# KiCad board FD.02-01-2021.kicad_pcb (continued)
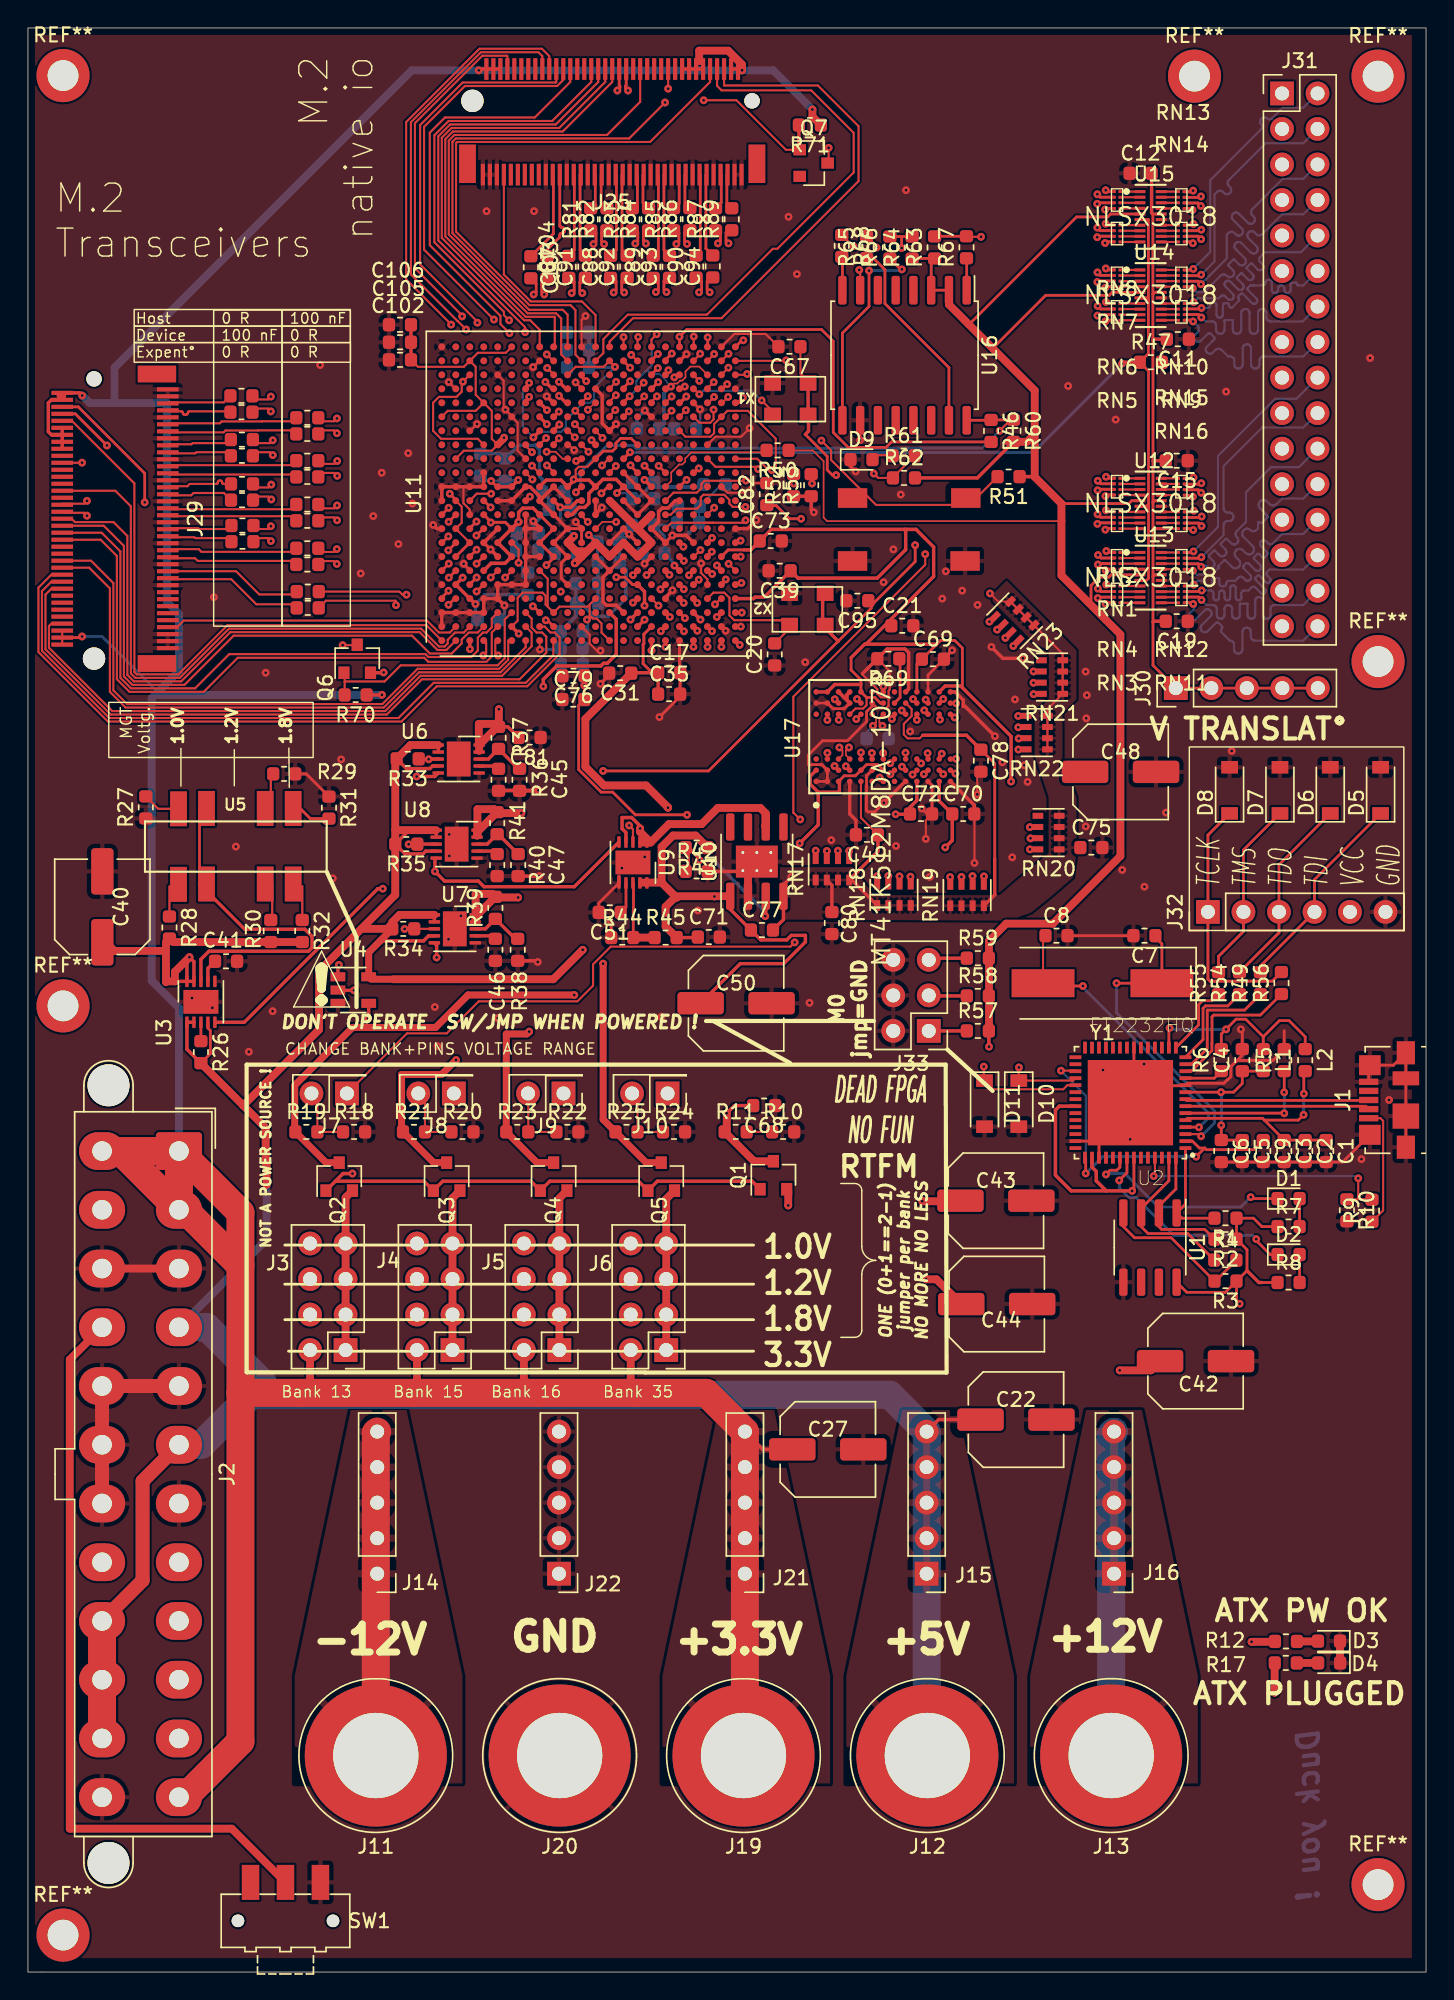
[diagram p0: board, top side]
## Routing (per net, layer and track width the routed paths; a pad name or vN(x,y) marks a point on that pad's centre or on a via; arc(x,y) is an arc through that point) (continued)
DDR_DQS_P: length 35.5
  Top w0.12: U17.C3 58.26,87.01 58.26,87.34 v1(58.04,87.56)
  Top w0.244: U11.R3 v1(43.1,96.7)
  In2.Cu_SigDDR w0.12: v1(58.04,87.56) 57.71,87.89 56.09,87.89 56.05,87.89 56.02,87.87 55.99,87.86 55.96,87.83 55.95,87.8 55.93,87.77 55.93,87.73 55.93,87.22 55.92,87.13 55.89,87.04 55.84,86.97 55.77,86.9 55.7,86.85 55.61,86.82 55.52,86.81 55.46,86.81 55.37,86.82 55.28,86.85 55.21,86.9 55.14,86.97 55.09,87.04 55.06,87.13 55.05,87.22 55.05,87.73 55.05,87.77 55.03,87.8 55.02,87.83 54.99,87.86 54.96,87.87 54.93,87.89 54.89,87.89 54.85,87.89 54.82,87.87 54.79,87.86 54.76,87.83 54.75,87.8 54.73,87.77 54.73,87.73 54.73,87.22 54.72,87.13 54.69,87.04 54.64,86.97 54.57,86.9 54.5,86.85 54.41,86.82 54.32,86.81 54.26,86.81 54.17,86.82 54.08,86.85 54.01,86.9 53.94,86.97 53.89,87.04 53.86,87.13 53.85,87.22 53.85,87.73 53.85,87.77 53.83,87.8 53.82,87.83 53.79,87.86 53.76,87.87 53.73,87.89 53.69,87.89 53.65,87.89 53.62,87.87 53.59,87.86 53.56,87.83 53.55,87.8 53.53,87.77 53.53,87.73 53.53,87.22 53.52,87.13 53.49,87.04 53.44,86.97 53.37,86.9 53.3,86.85 53.21,86.82 53.12,86.81 53.06,86.81 52.97,86.82 52.88,86.85 52.81,86.9 52.74,86.97 52.69,87.04 52.66,87.13 52.65,87.22 52.65,87.73 52.65,87.77 52.63,87.8 52.62,87.83 52.59,87.86 52.56,87.87 52.53,87.89 52.49,87.89 52.45,87.89 52.42,87.87 52.39,87.86 52.36,87.83 52.35,87.8 52.33,87.77 52.33,87.73 52.33,87.22 52.32,87.13 52.29,87.04 52.24,86.97 52.17,86.9 52.1,86.85 52.01,86.82 51.92,86.81 51.86,86.81 51.77,86.82 51.68,86.85 51.61,86.9 51.54,86.97 51.49,87.04 51.46,87.13 51.45,87.22 51.45,87.73 51.45,87.77 51.43,87.8 51.42,87.83 51.39,87.86 51.36,87.87 51.33,87.89 51.29,87.89 51.25,87.89 51.22,87.87 51.19,87.86 51.16,87.83 51.15,87.8 51.13,87.77 51.13,87.73 51.13,87.22 51.12,87.13 51.09,87.04 51.04,86.97 50.97,86.9 50.9,86.85 50.81,86.82 50.72,86.81 50.66,86.81 50.57,86.82 50.48,86.85 50.41,86.9 50.34,86.97 50.29,87.04 50.26,87.13 50.25,87.22 50.25,87.73 50.25,87.77 50.23,87.8 50.22,87.83 50.19,87.86 50.16,87.87 50.13,87.89 50.09,87.89 50.05,87.89 50.02,87.87 49.99,87.86 49.96,87.83 49.95,87.8 49.93,87.77 49.93,87.73 49.93,87.22 49.92,87.13 49.89,87.04 49.84,86.97 49.77,86.9 49.7,86.85 49.61,86.82 49.52,86.81 49.46,86.81 49.37,86.82 49.28,86.85 49.21,86.9 49.14,86.97 49.09,87.04 49.06,87.13 49.05,87.22 49.05,87.73 49.05,87.77 49.03,87.8 49.02,87.83 48.99,87.86 48.96,87.87 48.93,87.89 48.89,87.89 48.87,87.89 48.79,87.9 48.71,87.93 48.64,87.97 48.58,88.03 48.54,88.1 48.51,88.17 48.5,88.25 48.5,88.42 48.5,88.44 48.49,88.46 48.48,88.48 48.47,88.5 48.45,88.51 48.42,88.52 48.4,88.52 48.29,88.52 48.27,88.52 48.24,88.51 48.22,88.5 48.21,88.48 48.2,88.46 48.19,88.44 48.18,88.42 48.18,88.25 48.18,88.17 48.15,88.1 48.11,88.03 48.05,87.97 47.98,87.93 47.9,87.9 47.82,87.89 45.21,87.89 43.64,89.46 43.64,95.26 43.64,95.29 43.63,95.31 43.61,95.33 43.59,95.35 43.57,95.37 43.55,95.38 43.49,95.38 43.47,95.39 43.45,95.41 43.43,95.43 43.41,95.45 43.4,95.47 43.4,95.5 43.4,95.55 43.4,95.58 43.41,95.6 43.43,95.62 43.45,95.64 43.47,95.66 43.49,95.67 43.55,95.67 43.57,95.68 43.59,95.7 43.61,95.72 43.63,95.74 43.64,95.76 43.64,95.79 43.64,96.16 v1(43.1,96.7)
DDR_NCAS: length 49.9
  Top w0.15: v1(61.17,87.16) 61.18,87.15 U17.G3 ; v1(43.27,97.91) 43.31,97.91 U11.R4
  In2.Cu_SigDDR w0.15: v1(57.14,80.16) 56.96,80.34 56.96,82.95 57.12,83.11 57.13,83.12 57.15,83.13 57.16,83.13 57.18,83.13 57.2,83.13 57.21,83.12 57.24,83.1 57.25,83.09 57.27,83.09 57.29,83.09 57.3,83.09 57.32,83.1 57.33,83.11 57.65,83.43 57.66,83.44 57.67,83.46 57.67,83.47 57.67,83.49 57.67,83.51 57.66,83.52 57.65,83.53 57.21,83.98 57.17,84.03 57.14,84.09 57.12,84.15 57.12,84.22 57.14,84.29 57.17,84.35 57.21,84.4 57.26,84.44 57.32,84.47 57.39,84.49 57.45,84.49 57.52,84.47 57.58,84.44 57.63,84.4 57.81,84.22 57.86,84.18 57.92,84.15 57.99,84.14 58.06,84.14 58.12,84.15 58.18,84.18 58.23,84.22 61,86.99 61,87.16
  In4.Cu_SigDDR w0.15: v1(61.17,87.16) 60.61,86.6 59.74,86.6 58.2,85.06 47.59,85.06 42.5,90.15 42.5,90.95 42.51,91 42.52,91.05 42.55,91.09 42.58,91.13 42.63,91.15 42.67,91.17 42.72,91.17 42.87,91.17 42.92,91.18 42.97,91.2 43.01,91.22 43.05,91.26 43.08,91.3 43.09,91.35 43.1,91.4 43.09,91.45 43.08,91.5 43.05,91.54 43.01,91.58 42.97,91.6 42.92,91.62 42.87,91.62 42.38,91.62 42.35,91.63 42.32,91.64 42.3,91.65 42.28,91.67 42.26,91.7 42.26,91.72 42.25,91.75 42.25,91.95 42.26,91.98 42.26,92 42.28,92.03 42.3,92.05 42.32,92.06 42.35,92.07 42.38,92.08 42.87,92.08 42.92,92.08 42.97,92.1 43.01,92.12 43.05,92.16 43.08,92.2 43.09,92.25 43.1,92.3 43.09,92.35 43.08,92.4 43.05,92.44 43.01,92.48 42.97,92.5 42.92,92.52 42.87,92.53 42.38,92.53 42.35,92.53 42.32,92.54 42.3,92.55 42.28,92.57 42.26,92.6 42.26,92.62 42.25,92.65 42.25,92.85 42.26,92.88 42.26,92.9 42.28,92.93 42.3,92.95 42.32,92.96 42.35,92.97 42.38,92.97 42.87,92.97 42.92,92.98 42.97,93 43.01,93.02 43.05,93.06 43.08,93.1 43.09,93.15 43.1,93.2 43.09,93.25 43.08,93.3 43.05,93.34 43.01,93.38 42.97,93.4 42.92,93.42 42.87,93.42 42.38,93.42 42.35,93.43 42.32,93.44 42.3,93.45 42.28,93.47 42.26,93.5 42.26,93.52 42.25,93.55 42.25,93.75 42.26,93.78 42.26,93.8 42.28,93.83 42.3,93.85 42.32,93.86 42.35,93.87 42.38,93.88 42.87,93.88 42.92,93.88 42.97,93.9 43.01,93.92 43.05,93.96 43.08,94 43.09,94.05 43.1,94.1 43.09,94.15 43.08,94.2 43.05,94.24 43.01,94.28 42.97,94.3 42.92,94.32 42.87,94.33 42.38,94.33 42.35,94.33 42.32,94.34 42.3,94.35 42.28,94.37 42.26,94.4 42.26,94.42 42.25,94.45 42.25,94.65 42.26,94.68 42.26,94.7 42.28,94.73 42.3,94.75 42.32,94.76 42.35,94.77 42.38,94.78 42.87,94.78 42.92,94.78 42.97,94.8 43.01,94.82 43.05,94.86 43.08,94.9 43.09,94.95 43.1,95 43.09,95.05 43.08,95.1 43.05,95.14 43.01,95.18 42.97,95.2 42.92,95.22 42.87,95.22 42.38,95.22 42.35,95.23 42.32,95.24 42.3,95.25 42.28,95.27 42.26,95.3 42.26,95.32 42.25,95.35 42.25,95.55 42.26,95.58 42.26,95.6 42.28,95.63 42.3,95.65 42.32,95.66 42.35,95.67 42.38,95.67 43.27,95.67 43.32,95.68 43.37,95.7 43.41,95.72 43.45,95.76 43.48,95.8 43.49,95.85 43.5,95.9 43.49,95.95 43.48,96 43.45,96.04 43.41,96.08 43.37,96.1 43.32,96.12 43.27,96.12 42.5,96.12 42.5,96.13 42.38,96.13 42.35,96.13 42.32,96.14 42.3,96.15 42.28,96.17 42.26,96.2 42.26,96.22 42.25,96.25 42.25,96.45 42.26,96.48 42.26,96.51 42.28,96.53 42.3,96.55 42.32,96.56 42.35,96.57 42.4,96.58 42.43,96.59 42.45,96.6 42.47,96.62 42.49,96.65 42.5,96.67 42.5,96.7 42.5,97.14 v1(43.27,97.91)
DDR_NCS: length 51
  Top w0.15: 61.96,85.93 61.68,85.65 ; v1(43.27,99.88) 43.28,99.88 U11.R6
  In2.Cu_SigDDR w0.15: 61.68,85.65 61.68,84.95 60.64,83.91 60.64,79.89 60.63,79.85 60.62,79.81 60.59,79.77 60.56,79.74 60.52,79.71 60.48,79.7 60.44,79.69 59.91,79.69 59.86,79.69 59.82,79.67 59.78,79.65 59.75,79.62 59.73,79.58 59.71,79.54 59.71,79.49 59.71,79.45 59.73,79.41 59.75,79.37 59.78,79.34 59.82,79.31 59.86,79.3 59.91,79.29 61.02,79.29 61.06,79.29 61.1,79.27 61.14,79.25 61.17,79.22 61.2,79.18 61.21,79.14 61.22,79.09 61.21,79.05 61.2,79.01 61.17,78.97 61.14,78.94 61.1,78.91 61.06,78.9 61.02,78.89 60.84,78.89 60.79,78.89 60.75,78.87 60.71,78.85 60.68,78.82 60.66,78.78 60.64,78.74 60.64,78.69 60.64,78.43 60.71,78.36 v1(60.74,78.36)
  In4.Cu_SigDDR w0.15: 40.44,93.57 40.43,93.59 40.44,93.72 ; 40.44,94.92 40.43,94.79 40.44,94.77 ; v1(43.27,99.88) 40.44,97.05 40.44,92.52 40.42,92.38 40.42,92.36 40.41,92.36 40.41,92.35 40.4,92.34 40.39,92.34 40.36,92.34 40.35,92.33 40.34,92.33 40.34,92.32 40.33,92.31 40.33,92.3 40.33,92.29 40.33,91.84 40.33,91.83 40.33,91.81 40.34,91.81 40.34,91.8 40.35,91.79 40.36,91.79 40.38,91.79 40.43,91.79 40.43,91.76 40.57,91.76 40.6,91.76 40.63,91.75 40.66,91.73 40.68,91.71 40.7,91.68 40.71,91.65 40.71,91.62 40.71,91.36 40.71,91.32 40.7,91.29 40.68,91.27 40.66,91.24 40.63,91.23 40.6,91.22 40.57,91.21 39.86,91.21 39.8,91.2 39.74,91.18 39.69,91.15 39.65,91.11 39.61,91.06 39.59,91 39.59,90.94 39.59,90.88 39.61,90.82 39.65,90.77 39.69,90.72 39.74,90.69 39.8,90.67 39.86,90.66 40.15,90.66 40.21,90.65 40.27,90.63 40.32,90.6 40.37,90.56 40.4,90.51 40.42,90.45 40.43,90.39 40.43,89.56 40.46,89.52 40.49,89.46 40.5,89.4 40.5,89.34 40.49,89.28 40.46,89.22 40.43,89.18 40.22,88.97 40.18,88.92 40.16,88.87 40.14,88.81 40.14,88.75 40.16,88.69 40.18,88.63 40.22,88.58 40.27,88.54 40.32,88.52 40.38,88.5 40.45,88.5 40.51,88.52 40.56,88.54 40.61,88.58 40.81,88.79 40.86,88.83 40.92,88.85 40.98,88.87 41.04,88.87 41.1,88.85 41.15,88.83 41.2,88.79 46.59,83.4 59.83,83.4 61.68,85.26 61.68,85.65
  vias: v1(61.69,85.64)
DDR_NRAS: length 42.9
  Top w0.15: 49.58,97.2 v1(49.27,96.89) ; v1(60.36,87.16) 60.38,87.14 U17.F3
  In2.Cu_SigDDR w0.15: v1(56.34,80.18) 56.34,80.97 56.34,81 56.35,81.02 56.37,81.05 56.39,81.07 56.41,81.08 56.44,81.09 56.49,81.1 56.52,81.11 56.54,81.12 56.56,81.14 56.58,81.17 56.59,81.19 56.59,81.22 56.59,81.77 56.59,81.8 56.58,81.82 56.56,81.85 56.54,81.87 56.52,81.88 56.49,81.89 56.47,81.89 56.22,81.89 56.19,81.9 56.16,81.91 56.14,81.92 56.12,81.94 56.1,81.97 56.09,81.99 56.09,82.02 56.09,82.57 56.09,82.6 56.1,82.62 56.12,82.65 56.14,82.67 56.16,82.68 56.19,82.69 56.24,82.7 56.27,82.71 56.29,82.72 56.31,82.74 56.33,82.77 56.34,82.79 56.34,82.82 56.34,84.79 56.91,85.36 58.56,85.36 v1(60.36,87.16)
  In4.Cu_SigDDR w0.15: v1(49.27,96.89) 48.48,96.1 48.48,95.4 48.05,94.97 48.05,94.53 47.27,93.75 47.27,93.44 47.28,93.39 47.29,93.34 47.32,93.3 47.35,93.26 47.4,93.24 47.44,93.22 47.5,93.22 47.79,93.22 47.84,93.21 47.89,93.19 47.93,93.17 47.97,93.13 48,93.09 48.01,93.04 48.02,92.99 48.01,92.94 48,92.89 47.97,92.85 47.93,92.81 47.89,92.79 47.84,92.77 47.79,92.77 47.05,92.77 47,92.76 46.95,92.74 46.91,92.72 46.87,92.68 46.84,92.64 46.83,92.59 46.82,92.54 46.82,92.54 46.83,92.49 46.84,92.44 46.87,92.4 46.91,92.36 46.95,92.34 47,92.32 47.05,92.31 47.74,92.31 47.79,92.31 47.84,92.29 47.88,92.27 47.92,92.23 47.95,92.19 47.96,92.14 47.97,92.09 47.96,92.04 47.95,91.99 47.92,91.95 47.88,91.91 47.84,91.89 47.79,91.87 47.74,91.86 47.5,91.86 47.44,91.86 47.4,91.84 47.35,91.82 47.32,91.78 47.29,91.74 47.28,91.69 47.27,91.64 47.27,91.59 47.69,91.17 47.73,91.14 47.78,91.12 47.82,91.1 47.87,91.1 47.92,91.12 47.97,91.14 48.01,91.17 48.22,91.38 48.26,91.41 48.3,91.43 48.35,91.44 48.4,91.44 48.45,91.43 48.5,91.41 48.54,91.38 48.57,91.34 48.59,91.3 48.6,91.25 48.6,91.2 48.59,91.15 48.57,91.1 48.54,91.06 47.94,90.46 47.91,90.42 47.89,90.38 47.88,90.33 47.88,90.28 47.89,90.23 47.91,90.19 47.94,90.15 47.98,90.11 48.02,90.09 48.07,90.08 48.12,90.08 48.17,90.09 48.22,90.11 48.26,90.15 48.52,90.41 48.53,90.42 48.54,90.42 48.55,90.42 48.56,90.42 48.57,90.42 48.58,90.42 48.59,90.41 48.84,90.16 48.85,90.15 48.85,90.14 48.85,90.13 48.85,90.12 48.85,90.11 48.85,90.1 48.84,90.09 48.58,89.83 48.54,89.79 48.52,89.74 48.51,89.69 48.51,89.64 48.52,89.59 48.54,89.55 48.58,89.51 48.62,89.48 48.66,89.46 48.71,89.44 48.76,89.44 48.81,89.46 48.85,89.48 48.89,89.51 49.16,89.77 49.17,89.78 49.18,89.78 49.19,89.79 49.2,89.79 49.21,89.78 49.22,89.78 49.23,89.77 49.48,89.53 49.48,89.52 49.49,89.51 49.49,89.5 49.49,89.48 49.49,89.47 49.48,89.46 49.48,89.45 49.21,89.19 49.18,89.15 49.16,89.11 49.15,89.06 49.15,89.01 49.16,88.96 49.18,88.91 49.21,88.87 49.25,88.84 49.3,88.82 49.35,88.81 49.4,88.81 49.45,88.82 49.49,88.84 49.53,88.87 49.79,89.14 49.8,89.14 49.81,89.15 49.82,89.15 49.84,89.15 49.85,89.15 49.86,89.14 49.87,89.14 50.11,88.89 50.12,88.88 50.12,88.87 50.13,88.86 50.13,88.85 50.12,88.84 50.12,88.83 50.11,88.81 50.1,88.8 50.1,88.79 50.1,88.78 50.1,88.77 50.11,88.76 50.11,88.75 50.36,88.5 50.66,88.5 50.71,88.5 50.75,88.52 50.79,88.54 50.82,88.57 50.84,88.61 50.86,88.65 50.86,88.74 50.88,88.79 50.9,88.82 50.93,88.85 50.97,88.88 51.01,88.89 51.06,88.9 51.11,88.9 51.16,88.89 51.2,88.88 51.24,88.85 51.27,88.82 51.29,88.79 51.31,88.74 51.31,88.7 51.31,88.4 51.31,88.38 51.32,88.36 51.33,88.34 51.35,88.32 51.37,88.31 51.39,88.3 51.41,88.3 51.66,88.3 51.68,88.3 51.7,88.31 51.72,88.32 51.74,88.34 51.75,88.36 51.76,88.38 51.76,88.4 51.76,88.62 51.76,88.65 51.77,88.68 51.79,88.7 51.81,88.72 51.83,88.74 51.86,88.74 51.88,88.75 52.09,88.75 52.11,88.74 52.14,88.74 52.16,88.72 52.18,88.7 52.2,88.68 52.21,88.65 52.21,88.62 52.21,88.5 52.21,88.5 52.21,88.4 52.21,88.38 52.22,88.36 52.23,88.34 52.25,88.32 52.27,88.31 52.29,88.3 52.31,88.3 52.56,88.3 52.58,88.3 52.61,88.31 52.62,88.32 52.64,88.34 52.65,88.36 52.66,88.38 52.66,88.42 52.67,88.44 52.68,88.46 52.7,88.48 52.72,88.49 52.74,88.5 52.76,88.5 53.01,88.5 53.03,88.5 53.06,88.49 53.07,88.48 53.09,88.46 53.1,88.44 53.11,88.42 53.11,88.38 53.12,88.36 53.13,88.34 53.15,88.32 53.17,88.31 53.19,88.3 53.21,88.3 53.46,88.3 53.48,88.3 53.51,88.31 53.52,88.32 53.54,88.34 53.55,88.36 53.56,88.38 53.56,88.42 53.57,88.44 53.58,88.46 53.6,88.48 53.62,88.49 53.64,88.5 53.66,88.5 53.91,88.5 53.93,88.5 53.96,88.49 53.97,88.48 53.99,88.46 54,88.44 54.01,88.42 54.01,88.38 54.02,88.36 54.03,88.34 54.05,88.32 54.07,88.31 54.09,88.3 54.11,88.3 54.36,88.3 54.38,88.3 54.41,88.31 54.42,88.32 54.44,88.34 54.45,88.36 54.46,88.38 54.46,88.42 54.47,88.44 54.48,88.46 54.5,88.48 54.52,88.49 54.54,88.5 54.56,88.5 54.81,88.5 54.83,88.5 54.86,88.49 54.87,88.48 54.89,88.46 54.9,88.44 54.91,88.42 54.91,88.38 54.92,88.36 54.93,88.34 54.95,88.32 54.97,88.31 54.99,88.3 55.01,88.3 55.26,88.3 55.28,88.3 55.31,88.31 55.32,88.32 55.34,88.34 55.35,88.36 55.36,88.38 55.36,88.42 55.37,88.44 55.38,88.46 55.4,88.48 55.42,88.49 55.44,88.5 55.46,88.5 55.71,88.5 55.73,88.5 55.76,88.49 55.77,88.48 55.79,88.46 55.8,88.44 55.81,88.42 55.81,88.38 55.82,88.36 55.83,88.34 55.85,88.32 55.87,88.31 55.89,88.3 55.91,88.3 56.16,88.3 56.18,88.3 56.21,88.31 56.22,88.32 56.24,88.34 56.25,88.36 56.26,88.38 56.26,88.42 56.27,88.44 56.28,88.46 56.3,88.48 56.32,88.49 56.34,88.5 56.36,88.5 56.61,88.5 56.63,88.5 56.66,88.49 56.67,88.48 56.69,88.46 56.7,88.44 56.71,88.42 56.71,88.38 56.72,88.36 56.73,88.34 56.75,88.32 56.77,88.31 56.79,88.3 56.81,88.3 57.06,88.3 57.08,88.3 57.11,88.31 57.12,88.32 57.14,88.34 57.15,88.36 57.16,88.38 57.16,88.42 57.17,88.44 57.18,88.46 57.2,88.48 57.22,88.49 57.24,88.5 57.26,88.5 57.51,88.5 57.53,88.5 57.56,88.49 57.57,88.48 57.59,88.46 57.6,88.44 57.61,88.42 57.61,88.38 57.62,88.36 57.63,88.34 57.65,88.32 57.67,88.31 57.69,88.3 57.71,88.3 57.96,88.3 57.98,88.3 58.01,88.31 58.02,88.32 58.04,88.34 58.05,88.36 58.06,88.38 58.06,88.42 58.07,88.44 58.08,88.46 58.1,88.48 58.12,88.49 58.14,88.5 58.16,88.5 58.41,88.5 58.43,88.5 58.46,88.49 58.47,88.48 58.49,88.46 58.5,88.44 58.51,88.42 58.51,88.38 58.52,88.36 58.53,88.34 58.55,88.32 58.57,88.31 58.59,88.3 58.61,88.3 58.86,88.3 58.88,88.3 58.91,88.31 58.92,88.32 58.94,88.34 58.95,88.36 58.96,88.38 58.96,88.42 58.97,88.44 58.98,88.46 59,88.48 59.02,88.49 59.04,88.5 59.06,88.5 59.42,88.5 60.36,87.56 v1(60.36,87.16)
DDR_NRST: length 49.4
  Top w0.15: 66.1,85.93 v1(66.34,85.69) ; 48.6,102.21 v1(48.93,102.54)
  In2.Cu_SigDDR w0.15: v1(71.67,80.27) 71.05,80.27 70.81,80.52 70.76,80.57 70.73,80.63 70.72,80.69 70.72,80.76 70.73,80.83 70.76,80.89 70.81,80.94 70.83,80.97 70.88,81.02 70.91,81.08 70.92,81.15 70.92,81.21 70.91,81.28 70.88,81.34 70.83,81.39 70.78,81.44 70.72,81.46 70.66,81.48 70.59,81.48 70.52,81.46 70.46,81.44 70.41,81.39 69.75,80.73 69.7,80.69 69.64,80.66 69.57,80.65 69.5,80.65 69.44,80.66 69.38,80.69 69.33,80.73 69.28,80.79 69.25,80.85 69.24,80.91 69.24,80.98 69.25,81.04 69.28,81.1 69.33,81.16 69.53,81.36 69.57,81.42 69.6,81.48 69.62,81.54 69.62,81.61 69.6,81.67 69.57,81.74 69.53,81.79 66.34,84.98 v1(66.34,85.69)
  In4.Cu_SigDDR w0.15: v1(66.34,85.69) 69.79,85.69 71.31,87.21 71.31,92.99 61.06,103.24 49.63,103.24 v1(48.93,102.54)
DDR_NWE: length 50.2
  Top w0.15: U11.U5 45.26,98.86 v1(45.24,98.86) ; U17.H3 v1(61.68,86.43)
  In2.Cu_SigDDR w0.15: v1(61.68,86.43) 60.9,86.43 57.93,83.46 57.93,82.51 57.94,82.47 57.95,82.42 57.98,82.38 58.01,82.35 58.05,82.33 58.09,82.31 58.18,82.3 58.23,82.28 58.27,82.26 58.3,82.23 58.33,82.19 58.34,82.14 58.35,82.1 58.35,82.06 58.34,82.02 58.33,81.97 58.3,81.93 58.27,81.9 58.23,81.88 58.18,81.86 58.14,81.86 57.59,81.86 57.54,81.85 57.49,81.83 57.45,81.81 57.41,81.77 57.39,81.73 57.37,81.68 57.36,81.63 57.37,81.58 57.39,81.53 57.41,81.49 57.45,81.45 57.49,81.43 57.54,81.41 57.59,81.41 57.93,81.41 57.93,81.39 58.14,81.39 58.18,81.38 58.23,81.37 58.27,81.34 58.3,81.31 58.33,81.27 58.34,81.23 58.35,81.18 58.35,81.15 58.34,81.1 58.33,81.06 58.3,81.02 58.27,80.98 58.23,80.96 58.18,80.94 58.09,80.93 58.05,80.92 58.01,80.89 57.98,80.86 57.95,80.82 57.94,80.78 57.93,80.73 v1(57.93,80.18)
  In4.Cu_SigDDR w0.15: v1(61.68,86.43) 60.79,86.43 58.94,84.58 58.54,84.58 58.52,84.58 58.5,84.59 58.48,84.6 58.46,84.62 58.45,84.63 58.45,84.65 58.44,84.7 58.43,84.72 58.42,84.74 58.41,84.75 58.39,84.76 58.37,84.77 58.35,84.77 57.94,84.77 57.92,84.77 57.9,84.76 57.88,84.75 57.86,84.74 57.85,84.72 57.85,84.7 57.84,84.68 57.84,84.58 57.84,84.58 57.84,84.41 57.84,84.37 57.82,84.33 57.8,84.3 57.78,84.28 57.74,84.25 57.71,84.24 57.67,84.24 57.41,84.24 57.37,84.24 57.34,84.25 57.3,84.28 57.28,84.3 57.26,84.33 57.24,84.37 57.24,84.41 57.24,84.68 57.24,84.7 57.23,84.72 57.22,84.74 57.2,84.75 57.19,84.76 57.17,84.77 57.14,84.77 56.74,84.77 56.71,84.77 56.69,84.76 56.68,84.75 56.66,84.74 56.65,84.72 56.64,84.7 56.64,84.68 56.64,84.41 56.64,84.37 56.62,84.33 56.6,84.3 56.58,84.28 56.54,84.25 56.51,84.24 56.47,84.24 56.21,84.24 56.17,84.24 56.14,84.25 56.1,84.28 56.08,84.3 56.06,84.33 56.04,84.37 56.04,84.41 56.04,84.68 56.04,84.7 56.03,84.72 56.02,84.74 56,84.75 55.99,84.76 55.97,84.77 55.94,84.77 55.54,84.77 55.51,84.77 55.49,84.76 55.48,84.75 55.46,84.74 55.45,84.72 55.44,84.7 55.44,84.68 55.44,84.41 55.44,84.37 55.42,84.33 55.4,84.3 55.38,84.28 55.34,84.25 55.31,84.24 55.27,84.24 55.01,84.24 54.97,84.24 54.94,84.25 54.9,84.28 54.88,84.3 54.86,84.33 54.84,84.37 54.84,84.41 54.84,84.68 54.84,84.7 54.83,84.72 54.82,84.74 54.8,84.75 54.79,84.76 54.77,84.77 54.74,84.77 54.34,84.77 54.31,84.77 54.29,84.76 54.28,84.75 54.26,84.74 54.25,84.72 54.24,84.7 54.24,84.68 54.24,84.41 54.24,84.37 54.22,84.33 54.2,84.3 54.18,84.28 54.14,84.25 54.11,84.24 54.07,84.24 53.81,84.24 53.77,84.24 53.74,84.25 53.7,84.28 53.68,84.3 53.66,84.33 53.64,84.37 53.64,84.41 53.64,84.68 53.64,84.7 53.63,84.72 53.62,84.74 53.6,84.75 53.59,84.76 53.57,84.77 53.54,84.77 53.14,84.77 53.11,84.77 53.09,84.76 53.08,84.75 53.06,84.74 53.05,84.72 53.04,84.7 53.04,84.68 53.04,84.41 53.04,84.37 53.02,84.33 53,84.3 52.98,84.28 52.94,84.25 52.91,84.24 52.87,84.24 52.61,84.24 52.57,84.24 52.54,84.25 52.5,84.28 52.48,84.3 52.46,84.33 52.44,84.37 52.44,84.41 52.44,84.68 52.44,84.7 52.43,84.72 52.42,84.74 52.4,84.75 52.39,84.76 52.37,84.77 52.34,84.77 51.94,84.77 51.91,84.77 51.89,84.76 51.88,84.75 51.86,84.74 51.85,84.72 51.84,84.7 51.84,84.68 51.84,84.41 51.84,84.37 51.82,84.33 51.8,84.3 51.78,84.28 51.74,84.25 51.71,84.24 51.67,84.24 51.41,84.24 51.37,84.24 51.34,84.25 51.3,84.28 51.28,84.3 51.26,84.33 51.24,84.37 51.24,84.45 51.22,84.48 51.2,84.52 51.18,84.54 51.14,84.56 51.11,84.58 51.07,84.58 47.15,84.58 41.98,89.75 41.98,97.26 43.58,98.86 v1(45.24,98.86)
DDR_ODT: length 51.4
  Top w0.15: U11.T6 44.28,99.88 v1(44.25,99.88) ; 61.18,85.14 v1(60.92,85.4)
  In2.Cu_SigDDR w0.15: v1(58.74,80.17) 58.73,80.18 58.73,80.76 58.74,80.82 58.75,80.87 58.78,80.92 58.82,80.96 58.87,80.99 58.92,81 58.98,81.01 59.43,81.01 59.48,81.02 59.54,81.03 59.58,81.06 59.62,81.1 59.65,81.15 59.67,81.2 59.68,81.26 59.67,81.32 59.65,81.37 59.62,81.42 59.58,81.46 59.54,81.49 59.48,81.5 59.43,81.51 58.68,81.51 58.67,81.51 58.66,81.51 58.65,81.52 58.64,81.53 58.63,81.54 58.63,81.55 58.63,81.56 58.63,81.96 58.63,81.97 58.63,81.98 58.64,81.99 58.65,82 58.66,82.01 58.67,82.01 58.68,82.01 59.43,82.01 59.48,82.02 59.54,82.03 59.58,82.06 59.62,82.1 59.65,82.15 59.67,82.2 59.68,82.26 59.67,82.32 59.65,82.37 59.62,82.42 59.58,82.46 59.54,82.49 59.48,82.5 59.43,82.51 58.98,82.51 58.92,82.52 58.87,82.53 58.82,82.56 58.78,82.6 58.75,82.65 58.74,82.7 58.73,82.76 58.73,83.21 58.91,83.39 58.95,83.42 59,83.45 59.06,83.46 59.11,83.46 59.17,83.45 59.22,83.42 59.26,83.39 59.37,83.28 59.41,83.25 59.46,83.22 59.51,83.21 59.57,83.21 59.62,83.22 59.67,83.25 59.72,83.28 59.75,83.33 59.78,83.38 59.79,83.43 59.79,83.49 59.78,83.54 59.75,83.59 59.72,83.64 59.61,83.74 59.58,83.78 59.55,83.83 59.54,83.89 59.54,83.95 59.55,84 59.58,84.05 59.61,84.09 v1(60.92,85.4)
  In4.Cu_SigDDR w0.15: 44.25,99.89 41.49,97.13 41.49,89.36 45.78,85.07 45.8,85.04 45.82,85.01 45.82,84.97 45.82,84.93 45.82,84.9 45.8,84.86 45.75,84.8 45.73,84.76 45.73,84.73 45.73,84.69 45.73,84.65 45.75,84.62 45.78,84.58 45.95,84.41 45.98,84.38 46.02,84.36 46.06,84.36 46.1,84.36 46.13,84.36 46.17,84.38 46.2,84.41 46.32,84.53 46.32,84.53 46.45,84.65 46.48,84.67 46.51,84.69 46.55,84.7 46.59,84.7 46.63,84.69 46.66,84.67 46.69,84.65 46.87,84.47 46.89,84.44 46.91,84.4 46.92,84.37 46.92,84.33 46.91,84.29 46.89,84.26 46.85,84.19 46.83,84.16 46.82,84.12 46.82,84.08 46.83,84.05 46.85,84.01 46.87,83.98 47.71,83.98 47.75,83.98 47.79,84 47.82,84.02 47.85,84.05 47.87,84.08 47.88,84.11 47.89,84.19 47.9,84.23 47.92,84.26 47.95,84.29 47.98,84.31 48.02,84.32 48.06,84.33 48.31,84.33 48.35,84.32 48.39,84.31 48.42,84.29 48.45,84.26 48.47,84.23 48.48,84.19 48.49,84.15 48.49,83.83 48.49,83.8 48.5,83.77 48.52,83.74 48.54,83.72 48.57,83.7 48.6,83.69 48.63,83.68 48.94,83.68 48.97,83.69 49,83.7 49.03,83.72 49.05,83.74 49.07,83.77 49.08,83.8 49.09,83.83 49.09,84.15 49.09,84.19 49.1,84.23 49.12,84.26 49.15,84.29 49.18,84.31 49.22,84.32 49.26,84.33 49.51,84.33 49.55,84.32 49.59,84.31 49.62,84.29 49.65,84.26 49.67,84.23 49.68,84.19 49.69,84.15 49.69,83.83 49.69,83.8 49.7,83.77 49.72,83.74 49.74,83.72 49.77,83.7 49.8,83.69 49.83,83.68 50.14,83.68 50.17,83.69 50.2,83.7 50.23,83.72 50.25,83.74 50.27,83.77 50.28,83.8 50.28,83.83 50.28,84.15 50.29,84.19 50.3,84.23 50.32,84.26 50.35,84.29 50.38,84.31 50.42,84.32 50.46,84.33 50.71,84.33 50.75,84.32 50.79,84.31 50.82,84.29 50.85,84.26 50.87,84.23 50.88,84.19 50.88,84.15 50.88,83.98 50.89,83.98 50.89,83.83 50.89,83.8 50.9,83.77 50.92,83.74 50.94,83.72 50.97,83.7 51,83.69 51.03,83.68 51.34,83.68 51.37,83.69 51.4,83.7 51.43,83.72 51.45,83.74 51.47,83.77 51.48,83.8 51.49,83.86 51.5,83.9 51.52,83.92 51.54,83.95 51.57,83.97 51.6,83.98 51.63,83.98 51.94,83.98 51.97,83.98 52,83.97 52.03,83.95 52.05,83.92 52.07,83.9 52.08,83.86 52.09,83.8 52.1,83.77 52.12,83.74 52.14,83.72 52.17,83.7 52.2,83.69 52.24,83.68 52.54,83.68 52.57,83.69 52.6,83.7 52.63,83.72 52.65,83.74 52.67,83.77 52.68,83.8 52.69,83.86 52.7,83.9 52.72,83.92 52.74,83.95 52.77,83.97 52.8,83.98 52.84,83.98 53.14,83.98 53.17,83.98 53.2,83.97 53.23,83.95 53.25,83.92 53.27,83.9 53.28,83.86 53.29,83.8 53.3,83.77 53.32,83.74 53.34,83.72 53.37,83.7 53.4,83.69 53.44,83.68 53.74,83.68 53.77,83.69 53.8,83.7 53.83,83.72 53.85,83.74 53.87,83.77 53.88,83.8 53.89,83.86 53.9,83.9 53.92,83.92 53.94,83.95 53.97,83.97 54,83.98 54.03,83.98 54.34,83.98 54.37,83.98 54.4,83.97 54.43,83.95 54.45,83.92 54.47,83.9 54.48,83.86 54.49,83.8 54.5,83.77 54.52,83.74 54.54,83.72 54.57,83.7 54.6,83.69 54.63,83.68 54.94,83.68 54.97,83.69 55,83.7 55.03,83.72 55.05,83.74 55.07,83.77 55.08,83.8 55.09,83.86 55.1,83.9 55.12,83.92 55.14,83.95 55.17,83.97 55.2,83.98 55.24,83.98 55.54,83.98 55.57,83.98 55.6,83.97 55.63,83.95 55.65,83.92 55.67,83.9 55.68,83.86 55.69,83.8 55.7,83.77 55.72,83.74 55.74,83.72 55.77,83.7 55.8,83.69 55.84,83.68 56.14,83.68 56.17,83.69 56.2,83.7 56.23,83.72 56.25,83.74 56.27,83.77 56.28,83.8 56.29,83.86 56.3,83.9 56.32,83.92 56.34,83.95 56.37,83.97 56.4,83.98 56.44,83.98 56.74,83.98 56.77,83.98 56.8,83.97 56.83,83.95 56.85,83.92 56.87,83.9 56.88,83.86 56.89,83.8 56.9,83.77 56.92,83.74 56.94,83.72 56.97,83.7 57,83.69 57.03,83.68 57.34,83.68 57.37,83.69 57.4,83.7 57.43,83.72 57.45,83.74 57.47,83.77 57.48,83.8 57.49,83.86 57.5,83.9 57.52,83.92 57.54,83.95 57.57,83.97 57.6,83.98 57.63,83.98 57.67,83.98 57.7,83.97 57.73,83.95 57.75,83.92 57.77,83.9 57.78,83.86 57.79,83.8 57.8,83.77 57.82,83.74 57.84,83.72 57.87,83.7 57.9,83.69 57.93,83.68 58.24,83.68 58.27,83.69 58.3,83.7 58.33,83.72 58.35,83.74 58.37,83.77 58.38,83.8 58.38,83.83 58.38,83.98 58.39,83.98 58.39,84.15 58.39,84.19 58.4,84.23 58.42,84.26 58.45,84.29 58.48,84.31 58.52,84.32 58.56,84.33 58.81,84.33 58.85,84.32 58.89,84.31 58.92,84.29 58.95,84.26 58.97,84.23 58.98,84.19 58.99,84.11 59,84.08 59.02,84.05 59.05,84.02 59.08,84 59.12,83.98 59.16,83.98 59.5,83.98 v1(60.92,85.4)
